# Altium PCB PCB.PcbDoc (part 1 of 2) (continued)
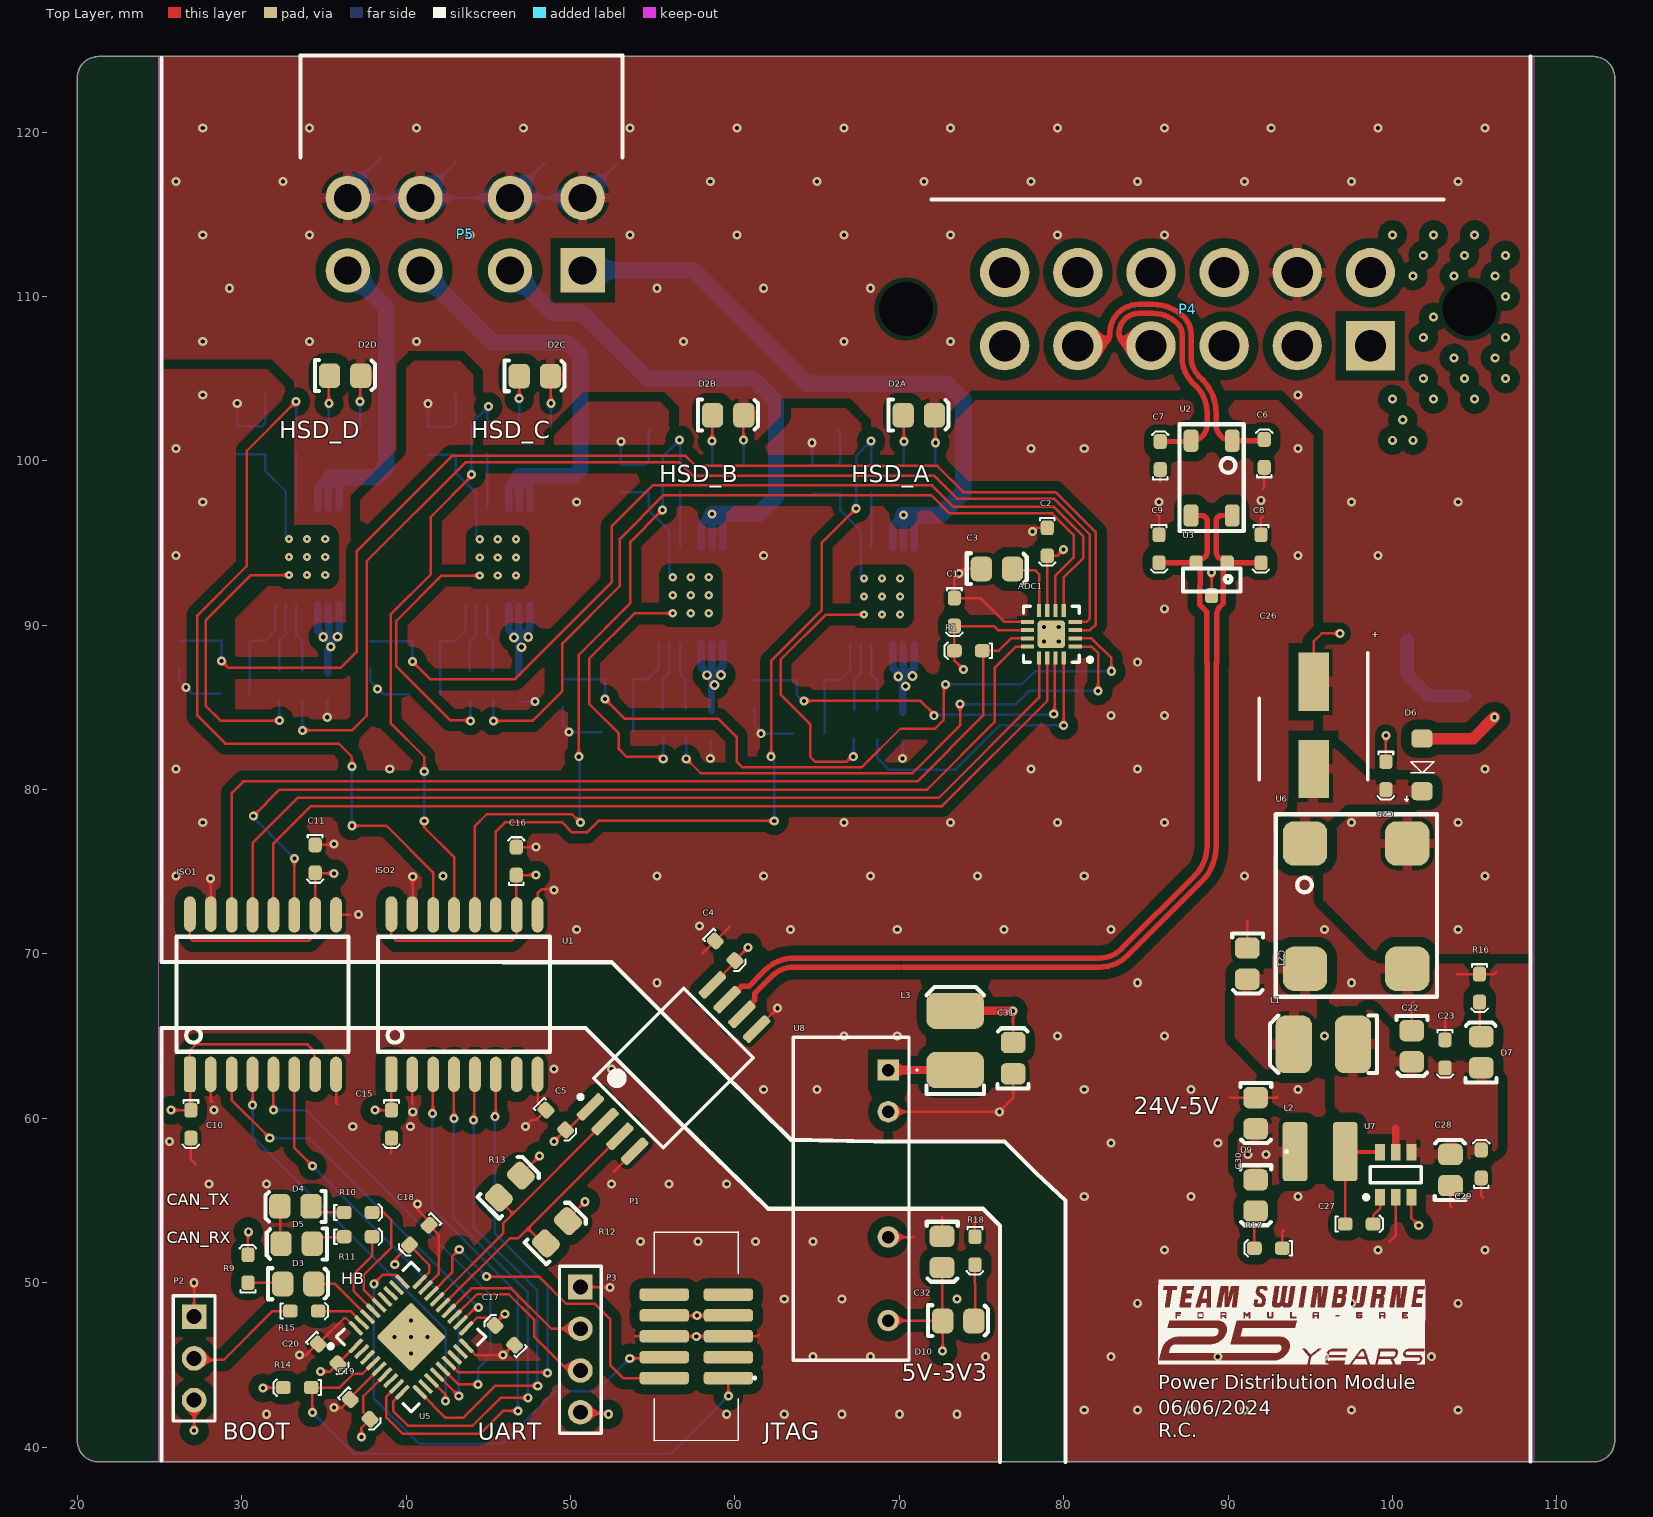
[diagram p0: Top Layer view]
## Components (designator, comment, footprint, x,y, rotation, side; value= is the part's Value field where it differs from the comment)
ADC1 "ADS7028IRTER-Symbol-1" WFQN-16 79.25,89.45 r180 top
C1 "100nF" 0603 73.35,91.65 r270 top
C2 "100nF" 0603 79,95.925 r270 top
C3 "1µF" 0805 75.95,93.45 r0 top
C4 "100nF" 0603 58.8,70.798 r315 top
C5 "100nF" 0603 48.5,60.5 r315 top
C6 "100pF" 0603 92.2,99.6 r90 top
C7 "100pF" 0603 85.875,99.475 r90 top
C8 "100pF" 0603 92,95.5 r270 top
C9 "100pF" 0603 85.8,95.5 r270 top
C10 "100nF" 0603 26.9,60.5 r270 top
C11 "100nF" 0603 34.465,76.635 r270 top
C12A "100nF" 0603 70.2,83 r90 bottom (schematic designator C12)
C12B "100nF" 0603 58.562,83.074 r90 bottom (schematic designator C12)
C12C "100nF" 0603 46.826,85.374 r90 bottom (schematic designator C12)
C12D "100nF" 0603 35.223,85.4 r90 bottom (schematic designator C12)
C13A "100nF" 0603 61.177,84.95 r90 bottom (schematic designator C13)
C13B "100nF" 0603 49.539,85.024 r90 bottom (schematic designator C13)
C13C "100nF" 0603 37.803,87.324 r90 bottom (schematic designator C13)
C13D "100nF" 0603 26.2,87.35 r90 bottom (schematic designator C13)
C14A "22nF" 0603 72.177,99.661 r270 bottom (schematic designator C14)
C14B "22nF" 0603 60.539,99.735 r270 bottom (schematic designator C14)
C14C "22nF" 0603 48.803,102.035 r270 bottom (schematic designator C14)
C14D "22nF" 0603 37.2,102.061 r270 bottom (schematic designator C14)
C15 "100nF" 0603 39.102,60.5 r270 top
C16 "100nF" 0603 46.7,74.8 r90 top
C17 "100nF" 0603 46.6,46.2 r135 top
C18 "100nF" 0603 41.4,53.5 r225 top
C19 "100nF" 0603 36.6,42.9 r315 top
C20 "100nF" 0603 34.648,46.277 r315 top
C21 "10uF" 0805 91.2,69.4 r270 top
C22 "10uF" 0805 101.2,64.375 r270 top
C23 "100nF" 0603 103.2,64.775 r270 top
C24 "100nF" 0603 104.4,85.7 r0 bottom
C25 "100nF" 0603 99.6,81.7 r270 top
C26 "47uF" "CHEMI-CON ELCO" 95.2,83.9 r270 top
C27 "100nF" 0603 97.125,53.575 r0 top
C28 "2.2uF" 0805 103.5,56.875 r90 top
C29 "100nF" 0603 105.4,56.375 r90 top
C30 "10uF" 0805 91.7,60.3 r270 top
C31 "10uF" 0805 76.9,63.675 r90 top
C32 "10uF" 0805 72.624,51.862 r270 top
D1A "MSX1PJ-M3/89A" "VISHAY DO-219" 66.4,99.9 r270 bottom (schematic designator D1)
D1B "MSX1PJ-M3/89A" "VISHAY DO-219" 54.762,99.974 r270 bottom (schematic designator D1)
D1C "MSX1PJ-M3/89A" "VISHAY DO-219" 43.026,102.274 r270 bottom (schematic designator D1)
D1D "MSX1PJ-M3/89A" "VISHAY DO-219" 31.423,102.3 r270 bottom (schematic designator D1)
D2A "Green" "0805 LED" 71.2,102.8 r0 top (schematic designator D2)
D2B "Green" "0805 LED" 59.6,102.8 r0 top (schematic designator D2)
D2C "Green" "0805 LED" 47.84,105.182 r0 top (schematic designator D2)
D2D "Green" "0805 LED" 36.3,105.2 r0 top (schematic designator D2)
D3 "Yellow" "0805 LED" 33.45,49.95 r0 top
D4 "Yellow" "0805 LED" 33.25,54.625 r180 top
D5 "Yellow" "0805 LED" 33.325,52.35 r180 top
D6 "PMEG100T10ELR-QX" "NXP SOD123W" 101.8,81.5 r90 top
D7 "Red" "0805 LED" 105.374,64.037 r90 top
D8 "SM6T36CAY" "ST SMB DIODE" 103.5,90 r0 bottom
D9 "Red" "0805 LED" 91.7,55.3 r270 top
D10 "Red" "0805 LED" 73.6,47.7 r0 top
F1 "0ZCF0100AF2A" 2920 104.7,101.8 r270 bottom
ISO1 "ADum1401" "AD 16-SOIC" 32.56,67.552 r0 top
ISO2 "ADuM1400" "AD 16-SOIC" 44.817,67.552 r0 top
L1 "12uH" 1812 95.8,64.5 r180 top
L2 "4.7uH" SRN3015TA-4R7M 95.6,57.975 r0 top
L3 "12uH" 1812 73.4,64.74 r90 top
P1 "1.27mm" 3221-10-0300-00 57.65,46.74 r90 top
P2 "2.54mm" "TH 2.54mm Header 1x3" 27.1,47.94 r270 top
P3 "2.54mm" "TH 2.54mm Header 1x4" 50.6,49.74 r270 top
P4 "DTF13-12P" DTF13-12P 87.545,111.452 r180 top
P5 "ATF13-08" ATF13-08 43.592,113.792 r180 top
R1 "100K" 0603 75.05,88.45 r180 top
R2A "10k" 0603 68.3,99.761 r270 bottom (schematic designator R2)
R2B "10k" 0603 56.662,99.835 r270 bottom (schematic designator R2)
R2C "10k" 0603 44.926,102.135 r270 bottom (schematic designator R2)
R2D "10k" 0603 33.323,102.161 r270 bottom (schematic designator R2)
R3A "10k" 0603 68.65,83.061 r90 bottom (schematic designator R3)
R3B "10k" 0603 57.012,83.135 r90 bottom (schematic designator R3)
R3C "10k" 0603 45.276,85.435 r90 bottom (schematic designator R3)
R3D "10k" 0603 33.673,85.461 r90 bottom (schematic designator R3)
R4A "10k" 0603 63.75,86.65 r0 bottom (schematic designator R4)
R4B "10k" 0603 52.112,86.724 r0 bottom (schematic designator R4)
R4C "10k" 0603 40.376,89.024 r0 bottom (schematic designator R4)
R4D "10k" 0603 28.773,89.05 r0 bottom (schematic designator R4)
R5A "390R" 0805 64.512,83.4 r0 bottom (schematic designator R5)
R5B "390R" 0805 52.874,83.474 r0 bottom (schematic designator R5)
R5C "390R" 0805 41.138,85.774 r0 bottom (schematic designator R5)
R5D "390R" 0805 29.535,85.8 r0 bottom (schematic designator R5)
R6A "680R" 0603 67.25,83.061 r90 bottom (schematic designator R6)
R6B "680R" 0603 55.612,83.135 r90 bottom (schematic designator R6)
R6C "680R" 0603 43.876,85.435 r90 bottom (schematic designator R6)
R6D "680R" 0603 32.273,85.461 r90 bottom (schematic designator R6)
R7A "1k" 0603 70.25,99.661 r270 bottom (schematic designator R7)
R7B "1k" 0603 58.612,99.735 r270 bottom (schematic designator R7)
R7C "1k" 0603 46.876,102.035 r270 bottom (schematic designator R7)
R7D "1k" 0603 35.273,102.061 r270 bottom (schematic designator R7)
R8A "1k" 0603 64.7,99.7 r270 bottom (schematic designator R8)
R8B "1k" 0603 53.062,99.774 r270 bottom (schematic designator R8)
R8C "1k" 0603 41.326,102.074 r270 bottom (schematic designator R8)
R8D "1k" 0603 29.723,102.1 r270 bottom (schematic designator R8)
R9 "500R" 0603 30.375,50 r90 top
R10 "500R" 0603 36.225,54.275 r0 top
R11 "500R" 0603 36.225,52.8 r0 top
R12 "5.1k" 0805 49.162,53.099 r45 top
R13 "5.1k" 0805 46.298,55.873 r45 top
R14 "10k" 0603 34.225,43.625 r180 top
R15 "10k" 0603 32.95,48.275 r0 top
R16 "20K" 0603 105.3,68.775 r270 top
R17 "2K" 0603 93.3,52.1 r180 top
R18 "1k" 0603 74.6,52.8 r270 top
U1 "ISO1042" TI-SOIC-8 56.263,63.061 r45 top
U2 "B82787C0104H002" "TDK 4-PC Pad" 90.25,101.225 r270 top value="100µH @ 100kHz"
U3 "NUP2105L" "ON SOT-23" 89,92.8 r180 top
U4A "TPS1H100AQPWPRQ1" TI_14_TSSOP 68.95,91.75 r270 bottom (schematic designator U4)
U4B "TPS1H100AQPWPRQ1" TI_14_TSSOP 57.312,91.824 r270 bottom (schematic designator U4)
U4C "TPS1H100AQPWPRQ1" TI_14_TSSOP 45.576,94.124 r270 bottom (schematic designator U4)
U4D "TPS1H100AQPWPRQ1" TI_14_TSSOP 33.973,94.15 r270 bottom (schematic designator U4)
U5 "STM32F103T8U6" STM_QFN-36 40.3,46.7 r45 top
U6 "744272121" "Wurth 4-PC Pad" 100.9,69.1 r90 top value="120uH @ 100kHz"
U7 "LMR50410Y5FQDBVRQ1" TI-SOT23-6 100.2,56.575 r90 top
U8 "RK-053.3S/H6" RK-053.3S/H6 69.325,62.94 r270 top

## Footprints (in the part's own frame and the unit in brackets; to place one, negate y for a bottom-side part, rotate by r counter-clockwise, add the part's x,y. Pads: shape width x height; smd on the part's side, far side on the other; paste and mask are expansions set on the pad)
0603 [mm]
  rrect50% 0.9x0.8 smd: 1(0,0) 2(1.7,0)
  silkscreen extent -0.6,-0.5 2.3,0.5, body extent 0.05,-0.42 1.65,0.43, height 0.6
0805 [mm]
  rrect50% 1.3x1.5 smd: 1(-0.962,-0.026) 2(0.938,-0.026)
  silkscreen extent -1.85,-0.95 1.8,0.93, body extent -1,-0.65 1,0.66, height 0.73
"0805 LED" [mm]
  rrect50% 1.3x1.5 smd: A(-0.962,-0.026) K(0.938,-0.026)
  silkscreen extent -1.85,-0.95 1.8,0.93, body extent -1.09,-0.63 0.91,0.63, height 1
1812 [mm]
  rrect50% 2.2x3.5 smd: 1(-1.8,0) 2(1.8,0)
  silkscreen extent -3.25,-1.75 3.25,1.75, body extent -2.25,-1.6 2.25,1.6, height 2.5
2920 [mm]
  rrect50% 2.3x5.6 smd: 1(0,0) 2(7.3,0)
  silkscreen extent -1.4,-3 9,3, body extent -0.34,-2.81 7.64,2.81, height 1.14
3221-10-0300-00 [mm]
  rrect50% 0.76x3 smd: 1(-2.54,-1.95) 2(-2.54,1.95) 3(-1.27,-1.95) 4(-1.27,1.95) 5(0,-1.95) 6(0,1.95) 7(1.27,-1.95) 8(1.27,1.95) 9(2.54,-1.95) 10(2.54,1.95)
  silkscreen extent -6.35,-3.6 6.35,2.55, body extent -6.34,-2.8 6.36,2.8, height 5.25
"AD 16-SOIC" [mil]
  rrect50% 28x85 smd: 1(-225,-192.02)
  oval 28x85 smd: 2(-175,-192.02) 3(-125,-192.02) 4(-75,-192.02) 5(-25,-192.02) 6(25,-192.02) 7(75,-192.02) 8(125,-192.02) 9(125,190) 10(75,189.96) 11(25,189.96) 12(-25,189.96) 13(-75,189.96) 14(-125,189.96) 15(-175,191.98) 16(-225,191.98)
  silkscreen extent -257,-138 155,138, body extent -256,-209 156,209, height 104
ATF13-08 [mm]
  rect 2.7x2.7 hole 1.7: 1(-7.145,2.21)
  round 2.7 hole 1.7: 2(-2.725,2.21) 3(2.725,2.21) 4(7.145,2.21) 5(7.145,-2.21) 6(2.725,-2.21) 7(-2.725,-2.21) 8(-7.145,-2.21)
  silkscreen extent -9.57,-10.87 10.03,-4.67, body extent -18.38,-25.4 18.38,4.5, height 23.66
"CHEMI-CON ELCO" [mm]
  rect 3.55x1.85 smd: 1(-2.65,0) 2(2.65,0)
  silkscreen extent -4.43,-3.3 3.3,3.3, body extent -3.7,-3.4 3.7,3.4, height 6.1
DTF13-12P [mm]
  round 3 hole 3.3 unplated: 0(-17.145,2.22) 0(17.145,2.22)
  rect 3x3 hole 1.9: 1(-11.114,4.45)
  round 3 hole 1.9: 2(-6.664,4.45) 3(-2.214,4.45) 4(2.236,4.45) 5(6.686,4.45) 6(11.136,4.45) 7(11.136,0) 8(6.686,0) 9(2.236,0) 10(-2.214,0) 11(-6.664,0) 12(-11.114,0)
  silkscreen extent -15.56,-4.45 15.59,-4.45, body extent -20.79,-27.74 20.79,6.55, height 23.13
"NXP SOD123W" [mm]
  rrect50% 1.1x1.3 smd: A(1.6,0) K(-1.6,0)
  silkscreen extent -2.2,-0.73 0.2,1.04, body extent -1.75,-0.95 1.75,0.95, height 1.1
"ON SOT-23" [mm] "NUP2105L"
  rrect50% 0.8x0.9 smd: 1(-0.95,-1) 2(0.95,-1) 3(0,1)
  silkscreen extent -1.75,-0.65 1.75,0.75, body extent -1.5,-1.27 1.5,1.28, height 1
RK-053.3S/H6 [mm]
  rect 1.303x1.303 hole 0.76: 1(0,0)
  round 1.303 hole 0.76: 2(2.54,0) 5(10.16,0) 7(15.24,0)
  silkscreen extent -2,-5.78 17.65,1.8, body extent -1.99,-5.78 17.65,1.26, height 10.2
SRN3015TA-4R7M [mm]
  rrect25% 1.5x3.6 smd: 1(-1.525,0) 2(1.525,0)
  silkscreen extent -2.1,-0.05 -2,0.05, body extent -1.46,-1.47 1.61,1.47, height 1.4
"ST SMB DIODE" [mm]
  rrect50% 2.5x2.5 smd: A(2.6,0) K(-2.6,0)
  silkscreen extent -4.28,-2.12 4.17,2.08, body extent -2.88,-1.99 2.72,1.95, height 2.5
STM_QFN-36 [mm]
  rrect50% 1.1x0.25 smd: 1(-2.75,2) 2(-2.75,1.5) 3(-2.75,1) 4(-2.75,0.5) 5(-2.75,0) 6(-2.75,-0.5) 7(-2.75,-1) 8(-2.75,-1.5) 9(-2.75,-2) 19(2.75,-2) 20(2.75,-1.5) 21(2.75,-1) 22(2.75,-0.5) 23(2.75,0) 24(2.75,0.5) 25(2.75,1) 26(2.75,1.5) 27(2.75,2)
  rrect50% 0.25x1.1 smd: 10(-2,-2.75) 11(-1.5,-2.75) 12(-1,-2.75) 13(-0.5,-2.75) 14(0,-2.75) 15(0.5,-2.75) 16(1,-2.75) 17(1.5,-2.75) 18(2,-2.75) 28(2,2.75) 29(1.5,2.75) 30(1,2.75) 31(0.5,2.75) 32(0,2.75) 33(-0.5,2.75) 34(-1,2.75) 35(-1.5,2.75) 36(-2,2.75)
  rrect10% 3x3 smd: 37(0,0)
  silkscreen extent -3.98,-3.21 3.21,3.21, body extent -3.08,-3.08 3.08,3.08, height 1
"TDK 4-PC Pad" [mm]
  rrect50% 1.35x0.9 smd: 1(0,-2.5) 2(0,0) 3(4.55,0) 4(4.55,-2.5)
  silkscreen extent -1,-3.2 5.5,0.7, body extent -0.02,-2.82 4.48,0.38, height 2.8
"TH 2.54mm Header 1x3" [mm]
  rect 1.5x1.5 hole 0.9: 1(0,0)
  round 1.5 hole 0.9: 2(2.54,0) 3(5.08,0)
  silkscreen extent -1.27,-1.27 6.35,1.27, body extent -1.27,-1.27 6.35,1.27, height 9.5
"TH 2.54mm Header 1x4" [mm]
  rect 1.5x1.5 hole 0.9: 1(0,0)
  round 1.5 hole 0.9: 2(2.54,0) 3(5.08,0) 4(7.62,0)
  silkscreen extent -1.27,-1.27 8.89,1.27, body extent -1.27,-1.27 8.89,1.27, height 9.5
TI-SOIC-8 [mm]
  rrect50% 1.95x0.6 smd: 1(-5.25,1.905) 2(-5.25,0.635) 3(-5.25,-0.635) 4(-5.25,-1.905) 5(5.25,-1.905) 6(5.25,-0.635) 7(5.25,0.635) 8(5.25,1.905)
  silkscreen extent -5.37,-3 3.88,3, body extent -5.75,-3 5.75,3, height 2.8
TI-SOT23-6 [mm]
  rect 1x0.6 smd: 1(-1.375,0.95) 2(-1.375,0) 3(-1.375,-0.95) 4(1.375,-0.95) 5(1.375,0) 6(1.375,0.95)
  silkscreen extent -1.5,-1.55 0.5,1.92, body extent -1.5,-1.53 1.5,1.53, height 1.45
TI_14_TSSOP [mm] "TSOP, 14-Leads, Body 5.00x4.40mm, Pitch 0.65mm, Thermal Pad 3.34x2.94mm, IPC Medium Density"
  rect 2.94x3.34 smd: 0(0,0)
  rect 1.4x0.45 smd: 1(-2.95,1.95) 2(-2.95,1.3) 3(-2.95,0.65) 4(-2.95,0) 5(-2.95,-0.65) 6(-2.95,-1.3) 7(-2.95,-1.95) 8(2.95,-1.95) 9(2.95,-1.3) 10(2.95,-0.65) 11(2.95,0) 12(2.95,0.65) 13(2.95,1.3) 14(2.95,1.95)
  silkscreen extent -3.07,-2.55 1.85,2.85, body extent -3.2,-2.55 3.2,2.55, height 1.2
"VISHAY DO-219" [mm]
  rrect50% 0.8x0.8 smd: A(1.9,0)
  rrect50% 2x1.1 smd: K(0,0)
  silkscreen extent -1.4,-0.72 2.7,0.7
WFQN-16 [mm]
  rect 0.8x0.25 smd: 1(-1.45,0.75) 2(-1.45,0.25) 3(-1.45,-0.25) 4(-1.45,-0.75) 9(1.45,-0.75) 10(1.45,-0.25) 11(1.45,0.25) 12(1.45,0.75)
  rect 0.25x0.8 smd: 5(-0.75,-1.45) 6(-0.25,-1.45) 7(0.25,-1.45) 8(0.75,-1.45) 13(0.75,1.45) 14(0.25,1.45) 15(-0.25,1.45) 16(-0.75,1.45)
  rrect25% 1.68x1.68 smd: 17(0,0)
  silkscreen extent -2.48,-1.7 1.7,1.7, body extent -1.6,-1.6 1.6,1.6, height 0.8
"Wurth 4-PC Pad" [mm]
  rrect50% 2.7x2.7 smd: 1(7.62,6.22) 2(0,6.22) 3(0,0) 4(7.62,0)
  silkscreen extent -1.7,-1.8 9.4,8, body extent -1.19,-1.24 8.81,7.46, height 6.2

## Part data
ADC1: library part ADS7028IRTER, "IC ADC 12BIT SAR 16WQFN", Manufacturer="Texas Instruments", Complex IC=1, Digikey Link=https://www.digikey.com.au/en/products/detail/texas-instruments/ADS7028IRTER/12696020?s=N4IgTCBcDaIIIBEDKB2ADGAHASQEoBUBRXEAXQF8g, Digikey Part Number=ADS7028IRTER, Part Number=ADS7028IRTER
C1 C2 C4 C5 C10 C11 C12A C12B C12C C12D C13A C13B C13C C13D C15 C16 C17 C18 C19 C20 C23 C24 C25 C27 C29: library part GCM188L81H104KA57D, Digikey Part Number=490-6049-1-ND, Manufacturer=muRata, Rated Voltage=50V, Temperature Rating=X8L, Tolerance=±10%, Material=MLCC, Part Number=GCM188L81H104KA57D
C3: library part GCM21BR71H105KA03L, Digikey Part Number=490-10675-1-ND, Manufacturer=muRata, Rated Voltage=50V, Temperature Rating=X7R, Tolerance=±10%, Material=MLCC, Part Number=GCM21BR71H105KA03L
C6 C7 C8 C9: library part GRM1885C1H101JA01D, Digikey Part Number=490-1427-1-ND, Manufacturer="Murata Electronics", Rated Voltage=50V, Temperature Rating="C0G, NP0", Tolerance=±5%, Material=MLCC, Part Number=GRM1885C1H101JA01D
C14A C14B C14C C14D: library part GCM188R71H223KA37J, Digikey Part Number=490-8022-2-ND, Manufacturer="Murata Electronics", Rated Voltage=50V, Temperature Rating=X7R, Tolerance=±10%, Material=MLCC, Part Number=GCM188R71H223KA37J
C21 C22 C30 C31 C32: library part GRM21BR6YA106KE43L, Digikey Part Number=490-10514-6-ND, Manufacturer=muRata, Rated Voltage=50V, Temperature Rating=X5R, Tolerance=10%, Material=MLCC, Part Number=GRM21BR6YA106KE43L
C26: library part HHXA350ARA470MF61G, Part Number=HHXA350ARA470MF61G
C28: library part GRM21BR71E225KE11L, Digikey Part Number=490-14467-2-ND, Manufacturer="Murata Electronics", Rated Voltage=25V, Temperature Rating=X7R, Tolerance=±10%, Material=MLCC, Part Number=GRM21BR71E225KE11L
D1A D1B D1C D1D: Breakdown Voltage=600V, Manufacturer="Vishay General Semiconductor - Diodes Division", Part Number=MSX1PJ-M3/89A
D2A D2B D2C D2D: library part SML-210FTT86, "Green LED Indication - Discrete 1.75V 0805 (2012 Metric)", Digikey Part Number=511-1285-1-ND, Manufacturer="ROHM Semiconductor", Colour=Green, Part Number=SML-210FTT86
D3 D4 D5: library part SML-211YTT86, "Yellow LED Indication - Discrete 1.75V 0805 (2012 Metric)", Digikey Part Number=511-1293-1-ND, Manufacturer="ROHM Semiconductor", Colour=Yellow, Part Number=SML-211YTT86
D6: Breakdown Voltage="100 V", Digikey Part Number=1727-PMEG100T10ELR-QXCT-ND, Forward Voltage="0.75 V @ 1A", Manufacturer="Nexperia USA Inc.", Rated Power="680 mW", Part Number=PMEG100T10ELR-QX
D7 D9 D10: library part SML-210LTT86, "Red LED Indication - Discrete 1.75V 0805 (2012 Metric)", Digikey Part Number=511-1286-1-ND, Manufacturer="ROHM Semiconductor", Colour=Red, Part Number=SML-210LTT86
D8: Breakdown Voltage="30.8 V", Digikey Part Number=497-10804-1-ND, Manufacturer=STMicroelectronics, Rated Power=600W, Forward Voltage="30.8 V", Part Number=SM6T36CAY
F1: "PTC RESET FUSE 60V 1A 292", Digikey Part Number=507-2070-1-ND, Manufacturer="Littelfuse Inc.", Digikey Link=https://www.digikey.com/product-detail/en/bel-fuse-inc/0ZCF0100AF2A/507-2070-1-ND/6210547, Part Number=0ZCF0100AF2A
ISO1: library part ADuM1401, "General Purpose Digital Isolator 2500Vrms 4 Channel 1Mbps 25kV/µs CMTI 16-SOIC (0.295\", 7.50mm Width)", Manufacturer="Analog Devices", Complex IC=0, Part Number=ADuM1401
ISO2: "General Purpose Digital Isolator 2500Vrms 4 Channel 1Mbps 25kV/µs CMTI 16-SOIC (0.295\", 7.50mm Width)", Digikey Part Number=ADUM1400WSRWZ-ND, Manufacturer="Analog Devices", Complex IC=0, Digikey Link=https://www.digikey.com/product-detail/en/analog-devices-inc/ADUM1400WSRWZ/ADUM1400WSRWZ-ND/1873713, Part Number=ADuM1400
L1 L3: library part RLS-126, Digikey Part Number=945-3429-ND, Manufacturer=Recom, Rated Current="0.8 A", Tolerance=0.2, Impedance=230mOhm, Material=Wirewound, Part Number=RLS-126
L2: library part SRN4018-4R7M, Digikey Part Number=SRN3015TA-4R7MCT-ND, Manufacturer=Bourns, Rated Current=1.9A, Tolerance=0.2, Impedance=84mOhms, Material=Wirewound, Part Number=SRN4018-4R7M
P1: library part "SMD 1.27mm Header 2x5 (3221-10-0300-00)", Angle=0, Contact=NA, Flange=No, Part Number="SMD 1.27mm Header 2x5 (3221-10-0300-00)", Pitch=1.27mm, Positions=10, Row Spacing=1.27mm
P2: library part "TH 2.54mm Header 1x3", Angle=0, Contact=NA, Flange=No, Part Number="TH 2.54mm Header 1x3", Pitch=2.54mm, Positions=3, Row Spacing=2.54mm
P3: library part "TH 2.54mm Header 1x4", Angle=0, Contact=NA, Flange=No, Part Number="TH 2.54mm Header 1x4", Pitch=2.54mm, Positions=4, Row Spacing=2.54mm
P4: Digikey Part Number=1734-1861-ND, Angle=90, Contact="Copper Alloy", Digikey Link=https://www.digikey.com/products/en?keywords=dtf13-12pa, Flange=No, Part Number=DTF13-12P, Pitch=4.45mm, Positions=12, Row Spacing=4.45mm
R1: library part RC0603FR-07100KL, Manufacturer=YAGEO, Rated Power=0.1W, Tolerance=0.01, Material=FR-07, Part Number=RC0603FR-07100KL
R2A R2B R2C R2D R3A R3B R3C R3D R4A R4B R4C R4D R14 R15: library part RC0603FR-0710KL, Digikey Part Number=311-10.0KHRCT-ND, Manufacturer=YAGEO, Rated Power=0.1W, Tolerance=0.01, Material=FR-07, Part Number=RC0603FR-0710KL
R5A R5B R5C R5D: library part RC0805FR07390RL, Digikey Part Number=311-390CRCT-ND, Manufacturer=YAGEO, Rated Power=0.125W, Tolerance=0.01, Material=FR-07, Part Number=RC0805FR07390RL
R6A R6B R6C R6D: library part RC0603JR-13680RL, Digikey Part Number=13-RC0603JR-13680RLCT-ND, Manufacturer=YAGEO, Rated Power=0.1W, Tolerance=0.01, Material=FR-07, Part Number=RC0603JR-13680RL
R7A R7B R7C R7D R8A R8B R8C R8D R18: library part RC0603FR-071KL, Digikey Part Number=311-1.00KHRCT-ND, Manufacturer=YAGEO, Rated Power=0.1W, Tolerance=0.01, Material=FR-07, Part Number=RC0603FR-071KL
R9 R10 R11: library part RT0603BRD07500RL, Digikey Part Number=13-RT0603BRD07500RL-ND, Manufacturer=YAGEO, Rated Power=0.1W, Tolerance=0.01, Material=FR-07, Part Number=RT0603BRD07500RL
R12 R13: library part RC0805FR075K1L, Digikey Part Number=311-5.10KCRCT-ND, Manufacturer=YAGEO, Rated Power=0.125W, Tolerance=0.01, Material=FR-07, Part Number=RC0805FR075K1L
R16: library part RC0603FR-0720KL, Digikey Part Number=311-20.0KHRCT-ND, Manufacturer=YAGEO, Rated Power=0.1W, Tolerance=0.01, Material=FR-07, Part Number=RC0603FR-0720KL
R17: library part RC0603FR-072KL, Digikey Part Number=311-2.00KHRCT-ND, Manufacturer=YAGEO, Rated Power=0.1W, Tolerance=0.01, Material=FR-07, Part Number=RC0603FR-072KL
U1: "IC CAN TRANSCEIVER 1/1 8SOIC", Digikey Part Number=296-ISO1042BQDWVQ1-ND, Manufacturer="Texas Instruments", Part Number=ISO1042
U2: Digikey Part Number=495-4598-1-ND, Manufacturer="EPCOS (TDK)", Rated Current=150mA, Impedance="5.8 kOhms @ 10MHz", Material=Wirewound, Part Number=B82787C0104H002
U3: "Dual Line CAN Bus Protector", Digikey Part Number=NUP2105LT1GOSCT-ND, Manufacturer="ON Semiconductor", Digikey Link=https://www.digikey.com/product-detail/en/on-semiconductor/NUP2105LT1G/NUP2105LT1GOSCT-ND/1485001, Part Number=NUP2105L
U4A U4B U4C U4D: "IC PWR SWTCH N-CHAN 1:1 14HTSSOP", Manufacturer="Texas Instruments", Complex IC=1, Part Number=TPS1H100AQPWPRQ1
U5: "ARM® Cortex®-M3 STM32F1 Microcontroller IC 32-Bit 72MHz 64KB (64K x 8) FLASH QFN", Manufacturer="ST Microelectronics", Digikey Link=https://www.digikey.com/en/products/detail/stmicroelectronics/stm32f103t8u6/1852493, Digikey Part Number=STM32F103T8U6, Part Number=STM32F103T8U6
U6: Digikey Part Number=732-1489-1-ND, Manufacturer="Wurth Electronics Inc", Rated Current="2.5 A", Impedance="460 Ohms @ 30MHz", Material=Wirewound, Part Number=744272121
U7: library part LMR50410-Q1, "IC REG BUCK 5V 1A SOT23-6", Digikey Part Number=296-LMR50410Y5FQDBVRQ1CT-ND, Input Voltage=4-36V, Manufacturer="Texas Instruments", Output Current=1A, Output Voltage=5V, Part Number=LMR50410-Q1
U8: "DC DC CONVERTER 3.3V 1W", Input Voltage=5V, Manufacturer=Recom, Output Current=303mA, Output Voltage=3.3V, Part Number=RK-053.3S/H6
P5: Part Number=ATF13-08

## Via types
v1: diameter 0.55, hole 0.25, Top Layer to Bottom Layer, 312 vias
v2: diameter 0.5, hole 0.2, Top Layer to Bottom Layer, 36 vias
v3: diameter 0.6, hole 0.3, Top Layer to Bottom Layer, 12 vias

## Nets (pads, with @x,y where several pads share a name; then routed paths per layer and width w, separated by ;. In a path a pad name is that pad's centre, name@x,y a point inside that pad or via, vN(x,y) a via of type N, cw(c..) or ccw(c..) an arc to the next point about the centre after c; other vN are vias at no path point)
0V: ADC1.9 ADC1.17 C1.1 C2.1 C3.1 C4.1 C6.1 C7.1 C8.1 C9.1 C11.1 C13A.1 C13B.1 C13C.1 C13D.1 C16.2 C21.1 C22.1 C23.1 C28.1 C29.1 C30.1 C31.1 D1A.K D1B.K D1C.K D1D.K ISO1.9 ISO1.15 ISO2.9 ISO2.15 R5A.1 R5B.1 R5C.1 R5D.1 R8A.1 R8B.1 R8C.1 R8D.1 R16.1 R17.1 U1.5 U3.3 U6.3 U7.2 U8.2 | length 90.3
  Top Layer w0.152: v1(28.1,74.6) 28.107,74.593 28.107,72.436 ISO1.15@28.115,72.429 ; C11.1@34.513,76.683 C11.1@34.465,76.635 35.465,76.635 v1@35.6,76.5 ; ISO1.9@35.735,72.378 36.578,72.378 36.6,72.4 ; ISO2.15@40.372,72.429 40.386,72.442 40.386,74.686 v1(40.4,74.7) ; C16.2@46.7,76.5 v1(47.9,76.5) ; ISO2.9@47.992,72.378 47.992,73.697 48.235,73.939 48.641,73.939 48.754,74.052 ; 58.026,70.025 59.655,71.653 ; U1.5@61.323,65.427 61.327,65.427 v1(62.6,66.7) ; U8.2@69.325,60.4 v1(76.1,60.4) 76.926,61.226 C31.1@76.926,62.713 ; C3.1@74.988,93.424 73.924,93.424 73.35,92.85 C1.1@73.35,91.65 74.95,91.65 76.4,90.2 ADC1.9@77.8,90.2 ; v1(78.097,95.7) 78.147,95.7 78.372,95.925 C2.1@79,95.925 ; 85.7,96.7 85.8,96.6 C9.1@85.8,95.5 C9.1@85.845,95.545 ; 85.875,98.691 C7.1@85.875,99.475 ; U3.3@89,91.8 89,92.05 v1(89,93.2) ; 90.1,61.3 90.138,61.262 C30.1@91.674,61.262 92.962,61.262 93,61.3 ; C21.1@91.174,70.362 91.174,71.974 91.2,72 ; C8.1@92,95.5 92,96.5 92.1,96.6 ; 92.1,98.3 92.2,98.4 C6.1@92.2,99.6 ; R17.1@93.3,52.1 93.3,53.1 93.4,53.2 ; 99.836,52.511 100.2,52.875 U7.2@100.2,55.2 ; C22.1@101.174,65.337 101.174,66.974 101.3,67.1 ; C23.1@103.2,64.775 103.2,66 103.3,66.1 ; C28.1@103.526,55.913 103.526,54.674 103.6,54.6 ; 103.9,68.8 103.925,68.775 R16.1@105.3,68.775 106.175,68.775 106.3,68.9 ; C29.1@105.4,56.375 105.4,55.3 105.5,55.2
  Bottom Layer w0.152: C13D.1@26.2,87.35 26.2,86.623 v1(26.598,86.224) 26.997,85.826 R5D.1@28.573,85.826 R5D.1@28.661,85.826 ; v1(29.723,103.5) R8D.1@29.723,102.1 31.223,102.1 D1D.K@31.423,102.3 31.423,104.123 31.5,104.2 ; C13C.1@37.803,87.324 37.803,86.619 38.252,86.17 v1(38.252,86.117) 38.33,86.117 38.647,85.8 R5C.1@40.176,85.8 ; v1(41.326,103.474) R8C.1@41.326,102.074 42.826,102.074 D1C.K@43.026,102.274 43.026,103.974 42.9,104.1 ; C13B.1@49.539,85.024 49.539,83.963 49.895,83.607 v1(49.895,83.5) ; v1@49.947,83.552 49.995,83.505 v1@49.995,83.5 ; v1@50,83.5 R5B.1@51.912,83.5 ; v1(53.062,101.174) R8B.1@53.062,99.774 54.562,99.774 D1B.K@54.762,99.974 54.762,101.762 54.9,101.9 ; C13A.1@61.177,84.95 61.177,83.923 61.595,83.505 v1(61.595,83.4) ; v1@61.648,83.453 61.7,83.4 63.524,83.4 R5A.1@63.55,83.426 ; v1(64.7,101.1) R8A.1@64.7,99.7 66.2,99.7 D1A.K@66.4,99.9 66.4,101.7 66.2,101.9
  other v1: 81.25,42.25 84.5,42.25 87.75,42.25 91,42.25 97.5,42.25 104,42.25 82.875,45.5 89.375,45.5 95.875,45.5 102.375,45.5 84.5,48.75 91,48.75 97.5,48.75 104,48.75 86.125,52 99.125,52 105.625,52 81.25,55.25 87.75,55.25 94.25,55.25 82.875,58.5 89.375,58.5 61.75,61.75 65,61.75 81.25,61.75 87.75,61.75 94.25,61.75 66.625,65 69.875,65 79.625,65 86.125,65 95.875,65 55.25,68.25 84.5,68.25 97.5,68.25 50.375,71.5 63.375,71.5 69.875,71.5 76.375,71.5 82.875,71.5 95.875,71.5 57.849,71.7 37.1,72.4 49,73.9 26,74.75 42.25,74.75 55.25,74.75 61.75,74.75 68.25,74.75 74.75,74.75 81.25,74.75 91,74.75 35.6,76.7 27.625,78 66.625,78 73.125,78 79.625,78 86.125,78 26,81.25 39,81.25 78,81.25 84.5,81.25 82.875,84.5 86.125,84.5 84.5,87.75 78.8,89 79.7,89 78.8,89.9 79.7,89.9 86.125,91 73.637,93.137 26,94.25 61.75,94.25 94.25,94.25 27.625,97.5 50.375,97.5 85.8,97.5 92,97.6 26,100.75 78,100.75 81.25,100.75 94.25,100.75 27.625,104
0V_(ISO): C5.1 C10.2 C15.2 C17.1 C18.1 C19.1 C20.1 C32.1 D4.K D5.K ISO1.2 ISO1.8 ISO2.2 ISO2.8 P1.5 P1.6 P2.1 P3.1 R18.1 U1.4 U5.5 U5.18 U5.26 U5.36 U5.37 U8.5 | length 49.3
  Top Layer w0.152: C10.2@26.9,58.8 26.9,57.5 27.2,57.2 ; P2.1@27.1,47.94 v1(27.1,50) ; ISO1.2@28.107,62.668 ISO1.2@28.115,62.675 28.115,61.085 28.2,61 ; D4.K@32.312,54.651 32.35,54.614 32.35,52.414 D5.K@32.387,52.376 ; v1(33.5,45.6) 33.9,45.6 34.577,46.277 C20.1@34.648,46.277 36.208,47.837 36.334,47.837 U5.36@36.941,47.23 ; v1(35.6,42.4) 36.1,42.4 C19.1@36.6,42.9 ; ISO1.8@35.735,62.675 35.735,60.965 35.8,60.9 ; C19.1@36.55,42.95 U5.5@38.355,44.755 ; 39.102,57.876 C15.2@39.102,58.8 ; ISO2.2@40.386,62.661 ISO2.2@40.372,62.675 40.372,60.928 40.4,60.9 ; v1(40.7,54.8) 40.7,54.446 41.4,53.746 C18.1@41.4,53.5 41.978,52.922 41.978,50.52 41.184,49.726 U5.26@41.184,49.705 ; U5.18@43.659,46.17 44.228,45.6 v1(45.9,45.6) 46.5,46.2 C17.1@46.6,46.2 ; v1(47.25,59.5) 47.65,59.9 47.9,59.9 48.4,60.4 48.5,60.4 C5.1@48.5,60.5 48,61 47.992,61.008 ISO2.8@47.992,62.675 ; P3.1@50.6,49.74 v1@52.4,49.74 ; 52.623,56.727 U1.4@53.898,58.002 ; 61.341,46.74 61.441,46.84 ; U8.5@69.325,52.78 70.88,52.78 70.9,52.8 ; C32.1@72.554,52.78 C32.1@72.598,52.824 72.598,53.998 72.6,54 ; R18.1@74.6,52.8 74.6,53.8 74.6,53.9
  Top Layer w0.157: 53.941,46.74 P1.6@55.7,46.74 v1(57.65,46.74) P1.5@59.6,46.74 61.341,46.74
  other v1: 31.5,42 59.5,42 63,42 66.5,42 70,42 73.5,42 64.75,45.5 68.25,45.5 75.25,45.5 40.3,45.7 39.3,46.7 40.3,46.7 41.3,46.7 40.3,47.7 63,49 66.5,49 73.5,49 52.4,49.7 54.25,52.5 57.75,52.5 61.25,52.5 64.75,52.5 28,56 31.5,56 52.5,56 56,56 59.5,56 25.6,58.6 36.75,59.5 40.25,59.5 40.4,60.4 28.3,60.5 49,63 52.5,63
3V3: C5.2 C10.1 C15.1 C17.2 C18.2 C19.2 C20.2 C32.2 D10.A ISO1.1 ISO1.7 ISO2.1 P1.7 P1.8 P2.3 P3.4 R9.2 R12.2 R13.2 R14.2 U1.1 U5.1 U5.6 U5.19 U5.27 U8.7 | length 57.6
  Top Layer w0.152: v1(25.7,60.5) C10.1@26.872,60.5 ; C10.1@26.9,60.5 C10.1@26.872,60.5 ; v1(27.1,41) P2.3@27.1,42.86 ; R9.2@30.375,51.7 30.375,53.075 v1(30.4,53.1) ; v1(31.3,43.6) 31.325,43.625 R14.2@32.525,43.625 ; ISO1.7@34.465,62.675 34.4,62.74 34.4,64.1 34,64.5 27.2,64.5 26.845,64.145 ISO1.1@26.845,62.675 26.872,62.648 C10.1@26.872,60.5 ; v1(34.8,44.6) 35.372,44.6 35.85,45.078 U5.1@36.941,46.17 ; v1(37.28,40.617) 37.28,41.176 C19.2@37.802,41.698 37.802,41.727 37.4,42.129 37.4,43.093 U5.6@38.709,44.402 ; v1(38.1,60.5) 39.2,60.5 C15.1@39.151,60.549 ; C15.1@39.102,60.549 ISO2.1@39.102,62.626 ; ISO2.1@39.102,62.675 ISO2.1@39.151,62.626 ; v1(39.304,51.104) 39.376,51.176 39.376,51.476 C18.2@40.198,52.298 41.4,51.096 41.4,50.628 U5.27@40.83,50.059 ; U5.19@43.659,47.23 44.292,47.864 44.936,47.864 44.974,47.826 C17.2@45.398,47.402 45.398,47.498 v1(46,48.1) ; R13.2@46.324,56.811 47.211,56.811 v1(48.1,57.7) ; v1(49,58.6) 49.698,59.298 C5.2@49.702,59.298 49.806,59.298 U1.1@51.204,60.696 ; R12.2@49.988,54.026 v1(50.889,54.926) ; P3.4@50.6,42.12 50.66,42.06 52.24,42.06 v1(52.3,42) ; P1.8@55.7,48.01 55.71,48 59.59,48 P1.7@59.6,48.01 ; U8.7@69.325,47.7 D10.A@72.498,47.7 ; C32.2@72.598,50.924 72.598,47.8 D10.A@72.681,47.717 ; v1@72.6,45.8 v1(72.638,45.838) D10.A@72.638,47.674
  other v1: 57.7,48
5V: ADC1.7 ADC1.10 C1.2 C2.2 C4.2 C11.2 C16.1 C30.2 C31.2 D9.A ISO1.10 ISO1.16 ISO2.10 ISO2.16 L2.1 L3.2 R1.2 U1.8 U7.3 | length 51.3
  Top Layer w0.152: ISO1.16@26.845,72.429 26.845,70.955 27,70.8 34.1,70.8 34.459,71.159 34.459,72.371 ISO1.10@34.465,72.377 C11.2@34.465,74.935 34.5,74.9 v1(35.6,74.9) ; ISO2.16@39.102,72.429 39.102,71.098 39.4,70.8 46.4,70.8 46.722,71.122 ISO2.10@46.722,72.377 46.711,72.389 46.711,74.789 C16.1@46.7,74.8 v1(47.9,74.8) ; U1.8@58.629,68.121 60.002,69.494 60.002,69.602 v1(60.8,70.4) ; v1(73.9,87.3) 73.35,87.85 C1.2@73.35,89.95 75.75,89.95 76,89.7 ADC1.10@77.8,89.7 ; C31.2@76.513,65.026 C31.2@76.926,64.613 v1(76.926,66.54) ; ADC1.7@79,90.9 C2.2@79,94.2 ; C2.2@79,94.225 79.625,94.225 79.995,94.595 v1(79.995,94.6) ; U7.3@101.15,55.2 101.15,53.925 v1(101.6,53.475)
  Top Layer w0.5: L3.2@73.4,66.54 v1(76.926,66.54)
  other v1: 91.2,57.8 92.3,57.8
_CAN1_N: C8.2 U1.6 U2.3 U3.1 | length 57.1
  Top Layer w0.33: U1.6@60.425,66.325 60.425,66.417 61.2,67.192 61.2,67.609 62.219,68.628 cw(c63.6,67.247) 63.6,69.2 70.002,69.2 ; 70.226,69.2 82.176,69.2 ccw(c82.176,71.619) 83.886,69.909 88.373,74.395 ccw(c86.194,76.573) 89.275,76.573 89.275,87.693 cw(c89.318,87.693) 89.287,87.723 ccw(c89.257,87.753) 89.3,87.753 89.3,90.7 89.423,91.041 89.717,91.336 89.717,92.264 89.694,93.333 89.694,93.66 89.75,93.716 U3.1@89.75,93.773 ; U3.1@89.928,93.853 89.798,93.983 ccw(c89.604,93.788) 89.604,94.063 cw(c89.604,94.338) 89.409,94.144 cw(c89.734,94.468) 89.275,94.468 89.275,96.345 cw(c89.605,96.345) 89.372,96.578 cw(c89.605,96.345) 89.605,96.675 U2.3@90.25,96.675 ; U3.1@89.928,93.853 cw(c89.875,93.8) U3.1@89.95,93.8 C8.2@92,93.8
_CAN1_P: C9.2 U1.7 U2.4 U3.2 | length 57.1
  Top Layer w0.33: U1.7@59.527,67.223 59.589,67.223 60.394,68.028 60.841,68.028 61.557,68.743 61.831,69.018 cw(c63.599,67.25) 63.599,69.75 82.172,69.75 ccw(c82.172,71.628) 83.5,70.3 87.981,74.781 ccw(c86.185,76.577) 88.725,76.577 88.725,87.693 ccw(c88.682,87.693) 88.713,87.723 cw(c88.743,87.753) 88.7,87.753 88.7,88.311 88.7,89.793 88.7,90.82 88.283,91.237 88.283,92.264 88.317,92.628 88.317,92.877 88.306,92.913 88.306,93.66 88.25,93.716 U3.2@88.25,93.773 ; C9.2@85.8,93.8 U3.2@88.05,93.8 cw(c88.125,93.8) 88.072,93.853 88.202,93.983 cw(c88.396,93.788) 88.396,94.063 ccw(c88.396,94.338) 88.591,94.144 ccw(c88.266,94.468) 88.725,94.468 88.725,96.345 ccw(c88.395,96.345) 88.628,96.578 ccw(c88.395,96.345) 88.395,96.675 U2.4@87.75,96.675
ADC_CS: ADC1.11 ISO1.14 R1.1 | length 62.1
  Top Layer w0.152: ISO1.14@29.385,72.377 29.385,74.285 29.4,74.3 29.4,79.8 30.1,80.5 71.1,80.5 75.1,84.5 75.1,88.4 R1.1@75.05,88.45 76.05,88.45 76.8,89.2 ADC1.11@77.8,89.2
BOOT0: P2.2 R15.1 | length 7.1
  Top Layer w0.152: P2.2@27.1,45.4 27.2,45.3 28.9,45.3 31.875,48.275 R15.1@32.95,48.275
CAN1_N: C6.2 P4.5 U2.2 | length 19.2
  Top Layer w0.33: P4.5@81.345,107.002 P4.5@80.859,107.002 82.074,107.002 ccw(c82.074,107.737) 82.809,107.737 82.809,107.762 cw(c84.563,107.762) 84.563,109.516 85.43,109.516 cw(c85.43,106.831) 87.329,108.73 cw(c86.313,107.714) 87.75,107.714 87.75,106.32 ccw(c89.468,106.323) 88.317,105.047 88.428,104.947 cw(c87.838,104.294) 88.468,104.909 cw(c88.076,104.523) 88.474,104.903 cw(c86.371,102.9) 89.275,102.9 89.275,102.2 ccw(c90.25,102.2) U2.2@90.25,101.225 92.019,101.225 ccw(c92.019,101.481) C6.2@92.2,101.3
CAN1_P: C7.2 P4.4 U2.1 | length 17.4
  Top Layer w0.33: P4.4@84.932,107.38 P4.4@85.309,107.002 84.094,107.002 cw(c84.094,107.737) 83.359,107.737 83.359,107.762 cw(c84.563,107.762) 84.563,108.966 85.43,108.966 cw(c85.43,106.831) 86.94,108.341 cw(c86.313,107.714) 87.2,107.714 ccw(c87.75,107.714) 87.2,107.712 87.2,106.32 ccw(c89.468,106.323) 87.949,104.639 88.059,104.539 cw(c87.838,104.294) 88.076,104.523 cw(c86.371,102.9) 88.725,102.9 88.725,102.2 cw(c87.75,102.2) U2.1@87.75,101.225 cw(c87.629,101.346) 87.629,101.175 C7.2@85.875,101.175
CAN_RX_INDC: R11.2 U5.33 | length 5.5
  Top Layer w0.152: R11.2@37.925,52.8 37.925,51.625 36.8,50.5 36.8,49.493 U5.33@38.002,48.291
CAN_TX_INDC: R10.2 U5.32 | length 7.6
  Top Layer w0.152: R10.2@37.925,54.275 38.625,54.275 39.1,53.8 39.1,52.153 37.432,50.485 37.432,49.568 U5.32@38.355,48.645
DIAG_EN1: ADC1.4 R3D.1 | length 69.9
  Top Layer w0.152: v1(33.7,83.6) 36.7,83.6 37.6,84.5 37.6,93.9 43.6,99.9 56.627,99.9 57.427,99.1 72.1,99.1 73.5,97.7 79.402,97.7 81.6,95.502 81.6,90.4 81.4,90.2 ADC1.4@80.7,90.2
  Bottom Layer w0.152: R3D.1@33.673,85.461 33.686,85.448 33.686,83.614 v1(33.7,83.6)
DIAG_EN2: ADC1.6 R3C.1 | length 51.7
  Top Layer w0.152: v1(45.303,84.174) 47.674,84.174 49.5,86 49.5,88.9 53,92.4 53,95.256 55.656,97.911 71.944,97.911 73.056,96.8 79.298,96.8 80.6,95.498 80.6,94.112 79.5,93.012 ADC1.6@79.5,90.9
  Bottom Layer w0.152: R3C.1@45.276,85.435 45.29,85.421 45.29,84.187 v1(45.303,84.174)
DIAG_EN3: ADC1.1 R3B.1 | length 33.4
  Top Layer w0.152: v1(57.039,81.874) 57.918,80.995 70.795,80.995 73.7,83.9 v1(73.7,85.2) ; ADC1.1@80.7,88.7 81.7,88.7 82.1,88.3 82.1,86.005 v1(82.095,86)
  Bottom Layer w0.152: R3B.1@57.012,83.135 57.026,83.121 57.026,81.887 v1(57.039,81.874) ; v1(73.7,85.2) 77.1,85.2 77.9,86 v1(82.095,86)
DIAG_EN4: ADC1.16 R3A.1 | length 18
  Top Layer w0.152: v1(80,83.9) ADC1.16@80,88
  Bottom Layer w0.152: R3A.1@68.65,83.061 68.65,81.95 69.4,81.2 73.4,81.2 76.1,83.9 v1(80,83.9)
GLV+: C12A.2 C12B.2 C12C.2 C12D.2 F1.1 P4.12 U4A.8 U4A.9 U4A.10 U4B.8 U4B.9 U4B.10 U4C.8 U4C.9 U4C.10 U4D.8 U4D.9 U4D.10 | length 35.5
  Bottom Layer w0.152: C12D.2@35.223,87.1 C12D.2@35.235,87.112 ; C12C.2@46.826,87.074 C12C.2@46.839,87.086 ; 46.839,89.111 46.851,89.124 ; C12B.2@58.562,84.774 C12B.2@58.574,84.786 ; 58.574,86.811 58.587,86.824 ; C12A.2@70.2,84.7 C12A.2@70.212,84.712 ; 70.212,86.737 70.225,86.75
  Bottom Layer w0.456: U4D.10@34.623,91.2 34.623,89.658 34.957,89.325 v3(34.957,89.286) 34.996,89.286 35.281,89 35.3,89 ; C12D.2@35.235,87.112 35.235,88.474 35.411,88.65 v3(35.411,88.689) 35.384,88.716 35.384,88.916 35.3,89 ; U4D.9@35.248,91.175 35.248,90.133 35.3,90.081 35.3,89.067 35.281,89.047 35.253,89.047 ; U4D.8@35.923,91.2 35.923,89.439 35.823,89.339 v3(35.823,89.3) 35.784,89.3 35.484,89 35.3,89 ; U4C.10@46.226,91.174 46.226,89.749 46.851,89.124 ; C12C.2@46.839,87.086 46.839,89.111 ; U4C.9@46.851,91.149 46.851,89.124 ; U4C.8@47.526,91.174 47.526,89.799 46.851,89.124 ; U4B.10@57.962,88.874 57.962,87.449 58.587,86.824 ; C12B.2@58.574,84.786 58.574,86.811 ; U4B.9@58.587,88.849 58.587,86.824 ; U4B.8@59.262,88.874 59.262,87.499 58.587,86.824 ; U4A.10@69.6,88.8 69.6,87.375 70.225,86.75 ; C12A.2@70.212,84.712 70.212,86.737 ; U4A.9@70.225,88.775 70.225,86.75 ; U4A.8@70.9,88.8 70.9,87.425 70.225,86.75
  other v1: 100,101.25 101.25,101.25 100.625,102.5 100,103.75 102.5,103.75 105,103.75 101.875,105 104.375,105 106.875,105 103.75,106.25 106.25,106.25 101.875,107.5 106.875,107.5 102.5,108.75 106.875,110 101.25,111.25 103.75,111.25 106.25,111.25 101.875,112.5 104.375,112.5 106.875,112.5 100,113.75 102.5,113.75 105,113.75
  other v3: 70.389,86.289 58.751,86.362 69.934,86.886 70.8,86.9 58.296,86.959 59.162,86.974 47.015,88.662 46.56,89.259 47.426,89.274
GLV-: C12A.1 C12B.1 C12C.1 C12D.1 C14A.1 C14B.1 C14C.1 C14D.1 C24.1 C25.1 C26.1 D2A.K D2B.K D2C.K D2D.K D8.K P4.11 P5.5 P5.6 P5.7 P5.8 U6.4 | length 55.3
  Top Layer w0.152: v1(37.2,103.6) 37.2,105.136 D2D.K@37.238,105.174 ; D2C.K@48.778,105.156 48.8,105.134 v1(48.8,103.5) ; v1(60.521,101.255) 60.521,102.757 D2B.K@60.538,102.774 ; D2A.K@72.138,102.774 72.2,102.712 v1(72.2,101.1) ; C26.1@95.2,86.55 95.2,89 95.7,89.5 v1(96.8,89.5) ; C25.1@99.6,81.7 v1(99.6,83.3)
  Bottom Layer w0.152: v1(35.2,84.4) 35.2,85.15 C12D.1@35.223,85.4 ; C14D.1@37.2,102.061 v1(37.2,103.6) ; 38.4,118.4 36.447,116.447 P5.5@36.447,116.002 P5.6@40.867,116.002 ; 43,118.3 43,118.218 43,118.136 P5.6@40.867,116.002 ; C12C.1@46.826,85.374 47.076,85.351 v1(47.826,85.351) ; 48.4,118.1 48.4,118.086 P5.7@46.317,116.002 ; v1(48.8,103.5) 48.802,103.498 48.802,102.037 C14C.1@48.803,102.035 ; 52.8,118 52.734,118 P5.8@50.737,116.002 P5.7@46.317,116.002 ; v1(58.5,81.9) 58.531,81.931 58.531,83.043 C12B.1@58.562,83.074 ; C14B.1@60.539,99.735 v1@60.539,101.255 ; v1(70.2,81.9) C12A.1@70.2,83 ; C14A.1@72.177,99.661 72.189,99.673 72.189,101.089 v1(72.2,101.1) ; P5.6@40.867,116.002 P5.7@46.317,116.002
  Bottom Layer w0.8: D8.K@100.9,89.1 100.9,87 102.2,85.7 C24.1@104.4,85.7
  other v1: 104,71.5 105.625,74.75 97.5,78 104,78 105.625,81.25 99.125,94.25 97.5,97.5 104,97.5 94.25,104 27.625,107.25 34.125,107.25 40.625,107.25 56.875,107.25 66.625,107.25 73.125,107.25 29.25,110.5 55.25,110.5 61.75,110.5 68.25,110.5 27.625,113.75 34.125,113.75 43.875,113.75 53.625,113.75 60.125,113.75 66.625,113.75 73.125,113.75 79.625,113.75 86.125,113.75 26,117 32.5,117 58.5,117 65,117 71.5,117 78,117 84.5,117 91,117 97.5,117 104,117 27.625,120.25 34.125,120.25 40.625,120.25 47.125,120.25 53.625,120.25 60.125,120.25 66.625,120.25 73.125,120.25 79.625,120.25 86.125,120.25 92.625,120.25 99.125,120.25 105.625,120.25
HB: D3.K U5.34 | length 4.1
  Top Layer w0.152: D3.K@34.388,49.924 35.662,49.924 U5.34@37.648,47.937
HSD_EN1: ISO2.14 R2D.1 | length 46.4
  Top Layer w0.152: v1(33.3,103.6) 30.3,100.6 30.3,93.6 27.3,90.6 27.3,84.5 29,82.8 35.9,82.8 36.7,82 v1(36.7,81.4) ; v1(36.7,77.8) 38.8,77.8 41.642,74.958 ISO2.14@41.642,72.377
  Bottom Layer w0.152: v1(33.3,103.6) 33.323,103.577 R2D.1@33.323,102.161 ; v1(36.7,77.8) v1(36.7,81.4)
HSD_EN2: ISO2.13 R2C.1 | length 36.1
  Top Layer w0.152: v1(41.1,78.1) 41.1,77.7 42.912,75.888 ISO2.13@42.912,72.377 ; v1(41.1,81.105) 41.1,82 39.1,84 39.089,84 39.048,84.041 39.048,90.648 41.5,93.1 41.5,96.6 43.967,99.067 v1(43.967,99.167)
  Bottom Layer w0.152: v1(41.1,78.1) v1(41.1,81.105) ; v1(43.967,99.167) 43.967,102.267 v1@44.926,103.226 ; R2C.1@44.926,102.135 v1@44.926,103.226 ; v1(45,103.3) v1@44.926,103.226
HSD_EN3: ISO2.12 R2B.1 | length 39.6
  Top Layer w0.152: ISO2.12@44.182,72.377 44.182,77.782 44.9,78.5 50.1,78.5 50.595,78.005 v1(50.6,78.005) ; v1(50.5,82) 50.5,88.2 53.639,91.339 53.639,95.074 55.565,97 v1(55.6,97)
  Bottom Layer w0.152: v1(50.5,82) 50.55,81.95 50.55,78.055 v1(50.6,78.005) ; v1(55.6,97) 55.6,100.235 v1(56.639,101.274) 56.662,101.251 R2B.1@56.662,99.835
HSD_EN4: ISO2.11 R2A.1 | length 49.9
  Top Layer w0.152: ISO2.11@45.452,72.377 45.452,77.452 46,78 49.5,78 50.1,77.4 51,77.4 51.7,78.1 v1(62.392,78.1) ; v1(62.2,82) 62.2,87.823 65.277,90.9 65.277,95 v1(67.377,97.1)
  Bottom Layer w0.152: v1(62.2,82) 62.2,81.892 62.392,81.7 v1(62.392,78.1) ; v1(67.377,97.1) 67.377,100.3 v1(68.277,101.2) 68.3,101.177 R2A.1@68.3,99.761
HSD_EN_(ISO)_1: ISO2.3 U5.8 | length 33.8
  Top Layer w0.152: U5.8@39.416,43.695 38.8,43.079 38.8,41.8 39.8,40.8 44.5,40.8 45.9,42.2 v1(46.8,42.2) ; v1(41.6,60.3) 41.621,60.321 41.621,62.654 ISO2.3@41.642,62.675
  Bottom Layer w0.152: v1(41.6,60.3) 41.6,54.511 46.8,49.311 v1(46.8,42.2)
HSD_EN_(ISO)_2: ISO2.4 U5.9 | length 32.2
  Top Layer w0.152: U5.9@39.77,43.341 39.2,42.772 39.2,42.2 40.1,41.3 44.044,41.3 45.744,43 v1(47.405,43) ; v1(42.9,60) 42.906,60.006 42.906,62.669 ISO2.4@42.912,62.675
  Bottom Layer w0.152: v1(42.9,60) 42.9,53.9 47.4,49.4 47.4,43.005 v1(47.405,43)
HSD_EN_(ISO)_3: ISO2.5 U5.10 | length 29.2
  Top Layer w0.152: U5.10@40.83,43.341 42.372,41.8 43.489,41.8 45.416,43.727 v1(48.005,43.727) ; v1(44.1,59.9) 44.141,59.941 44.141,62.634 ISO2.5@44.182,62.675
  Bottom Layer w0.152: v1(44.1,59.9) 44.1,53.4 47.979,49.521 47.979,43.753 v1(48.005,43.727)
HSD_EN_(ISO)_4: ISO2.6 U5.15 | length 25.8
  Top Layer w0.152: U5.15@42.598,45.109 43.149,44.558 48.547,44.558 v1(48.605,44.5) ; v1(45.4,60.1) 45.452,60.152 ISO2.6@45.452,62.675
  Bottom Layer w0.152: v1(45.4,60.1) 45.4,53 48.605,49.795 v1(48.605,44.5)
NetADC1_8: ADC1.8 C3.2 | length 3.9
  Top Layer w0.152: C3.2@76.888,93.424 76.962,93.35 78.25,93.35 78.5,93.1 ADC1.8@78.5,90.9
NetC24_2: C24.2 D6.A D8.A F1.2 | length 4.9
  Top Layer w0.7: D6.A@101.8,83.1 104.9,83.1 v1(106.2,84.4)
NetC27_1: C27.1 L2.2 U7.6 | length 6.3
  Top Layer w0.152: C27.1@97.125,53.575 L2.2@97.125,57.75
  Top Layer w0.254: L2.2@97.125,57.975 97.15,57.95 U7.6@99.25,57.95
NetC27_2: C27.2 U7.1 | length 1.8
  Top Layer w0.152: C27.2@98.825,53.575 98.839,53.589 98.839,54.114 99.25,54.525 U7.1@99.25,55.2
NetD1A_A: D1A.A R6A.1 R8A.2 U4A.0 U4A.2 | length 24.3
  Top Layer w0.152: v1(67.2,82) 67.092,82 66.8,81.708 64.869,81.708 64.577,82 64.577,83.981 63.859,84.699 62.777,85.781 62.777,87.898 65.53,90.65 v2(67.85,90.65)
  Bottom Layer w0.152: R8A.2@64.7,98 D1A.A@66.4,98 66.4,97 67.65,95.75 U4A.2@67.65,94.7 67.65,93.05 v2(67.85,92.85) ; v1(67.2,82) 67.225,82.025 67.225,83.036 R6A.1@67.25,83.061
  other v2: 68.95,90.65 70.05,90.65 67.85,91.75 68.95,91.75 70.05,91.75 68.95,92.85 70.05,92.85